# Altium PCB QCLogic Rev A.PcbDoc (part 2 of 3)
Units mm, origin at the board's own origin, x right, y up, seen from the top; angles counter-clockwise.
Board outline 42 x 51.55 mm, 6 copper layers (Layer 1, Layer 2, Layer 3, Layer 4, Layer 5, Layer 6), stack 1.598 mm thick; 239 components, 183 nets, 740 pads, 472 vias.
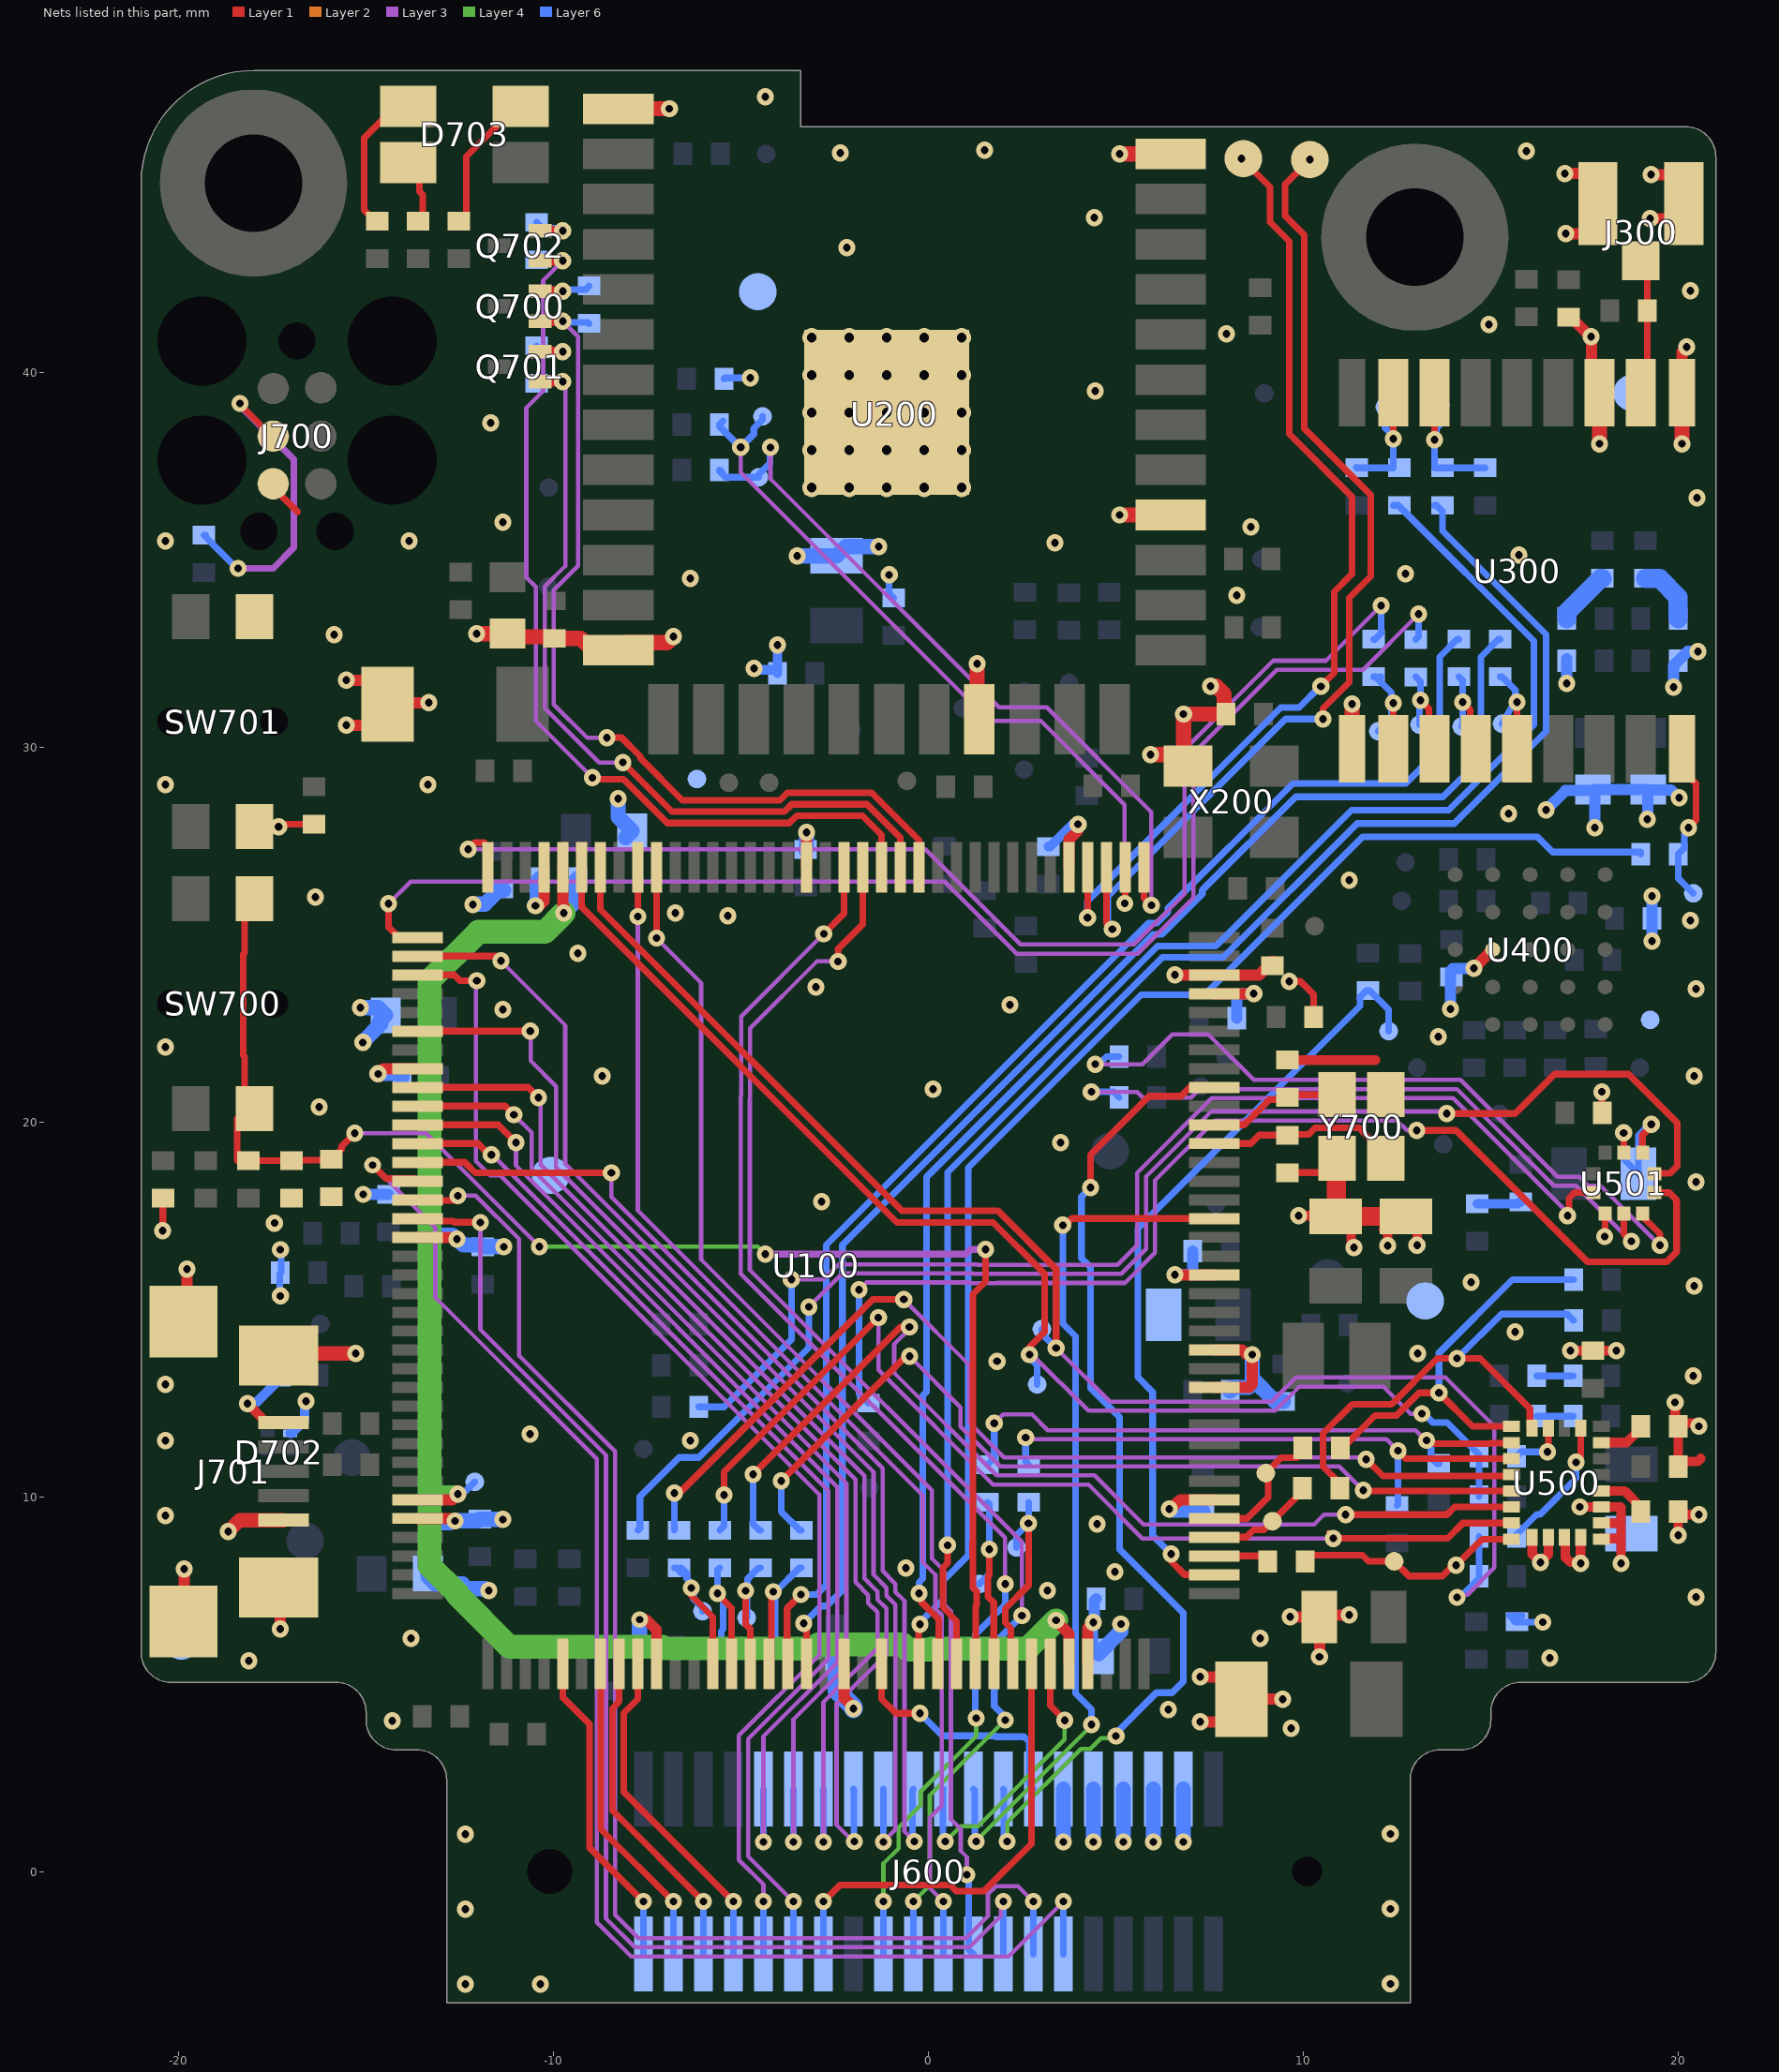
[diagram p6: the nets of this part, all layers, seen from the top]

## Via types
v1: diameter 0.457, hole 0.203, Layer 1 to Layer 6, tented both sides, 389 vias
v2: diameter 0.45, hole 0.2, Layer 1 to Layer 6, tented both sides, 52 vias
v3: diameter 0.508, hole 0.254, Layer 1 to Layer 6, 25 vias
v4: diameter 0.762, hole 0.508, Layer 1 to Layer 6, tented both sides, 6 vias

## Nets (pads, with @x,y where several pads share a name; then routed paths per layer and width w, separated by ;. In a path a pad name is that pad's centre, name@x,y a point inside that pad or via, vN(x,y) a via of type N, cw(c..) or ccw(c..) an arc to the next point about the centre after c; other vN are vias at no path point) (continued)
BLDC_BOOTLOADER_RX2: J600.27 U100.138 | length 12.5
  Layer 1 w0.178: v2(-2.8,-0.799) -2.357,-0.356 0.583,-0.356 0.745,-0.518 1.483,-0.518 2.748,0.748 2.748,5.548 U100.138@2.75,5.55
  Layer 6 w0.178: J600.27@-2.8,-2.2 v2(-2.8,-0.799)
BLDC_BOOTLOADER_RX3: J600.29 U100.84 | length 28.5
  Layer 1 w0.178: U100.84@-13.625,19.425 -12.016,19.425 -11.718,19.126 v1(-11.656,19.126)
  Layer 3 w0.114: v1(-11.656,19.126) -11.63,19.126 -2.67,10.166 -2.67,5.68 -4.811,3.538 -4.811,0.412 v2(-3.6,-0.799)
  Layer 6 w0.178: J600.29@-3.6,-2.2 v2(-3.6,-0.799)
BLDC_BOOTLOADER_RX4: J600.31 U100.75 | length 32.7
  Layer 1 w0.178: U100.75@-13.625,23.925 -12.65,23.925 -12.493,23.769 v1(-12.043,23.769)
  Layer 3 w0.114: v1(-12.043,23.769) -12.068,23.743 -12.068,18.955 -11.688,18.575 -11.42,18.575 -2.911,10.066 -2.911,5.779 -5.053,3.638 -5.053,0.312 -4.4,-0.341 v2(-4.4,-0.799)
  Layer 6 w0.178: J600.31@-4.4,-2.2 v2(-4.4,-0.799)
BLDC_BOOTLOADER_TX1: J600.18 U100.21 | length 23.6
  Layer 1 w0.178: v1(3.584,17.247) 3.646,17.247 3.825,17.425 U100.21@7.625,17.425
  Layer 4 w0.114: v2(1.276,0.8) 1.276,0.825 4.35,3.9 v1(4.35,3.925)
  Layer 6 w0.178: J600.18@1.2,2.2 1.238,2.162 1.238,0.838 v2(1.276,0.8) ; v1(3.584,17.247) 3.584,14.62 3.925,14.279 3.925,4.756 4.35,4.331 v1(4.35,3.925)
BLDC_BOOTLOADER_TX2: J600.20 U100.139 | length 7.9
  Layer 1 w0.178: U100.139@3.25,5.55 3.25,4.432 v1@3.635,4.047
  Layer 4 w0.114: v2(0.451,0.8) 0.869,1.218 1.327,1.218 3.635,3.526 v1(3.635,4.039)
  Layer 6 w0.178: J600.20@0.4,2.2 0.388,2.188 0.388,0.863 v2(0.451,0.8)
BLDC_BOOTLOADER_TX3: J600.22 U100.85 | length 27.9
  Layer 1 w0.178: U100.85@-13.625,18.925 -12.369,18.925 -12.088,18.644 v1(-8.455,18.644)
  Layer 3 w0.114: v1(-8.455,18.644) -8.455,17.999 -1.222,10.766 -1.222,8.021 -0.879,7.678 -0.879,7.463 -0.637,7.221 -0.637,1.079 -0.449,0.891 -0.449,0.875 v2(-0.374,0.8)
  Layer 6 w0.178: J600.22@-0.4,2.2 -0.425,2.176 -0.425,0.851 v2(-0.374,0.8)
BLDC_BOOTLOADER_TX4: J600.24 U100.74 | length 31.7
  Layer 1 w0.178: U100.74@-13.625,24.425 -11.525,24.425 v1(-11.4,24.3)
  Layer 3 w0.114: v1(-11.4,24.3) -11.4,24.293 -9.687,22.58 -9.687,18.889 -1.463,10.666 -1.463,7.921 -1.12,7.578 -1.12,7.363 -0.879,7.121 -0.879,1.121 v2(-1.2,0.8)
  Layer 6 w0.178: v2(-1.2,0.8) J600.24@-1.2,2.2
BLDC_BOOTSEL1: J600.26 U100.78 | length 30.7
  Layer 1 w0.178: U100.78@-13.625,22.425 v1(-10.618,22.425)
  Layer 3 w0.114: v1(-10.618,22.425) -10.606,22.414 -10.606,21.632 -9.929,20.954 -9.929,18.789 -1.705,10.566 -1.705,7.822 -1.362,7.478 -1.362,7.263 -1.12,7.021 -1.12,5.805 -1.762,5.163 -1.77,5.163 -2.45,4.483 -2.45,1.249 -2.001,0.8 v2(-1.974,0.8)
  Layer 6 w0.178: J600.26@-2,2.2 -1.987,2.187 -1.987,0.813 v2(-1.974,0.8)
BLDC_BOOTSEL2: J600.28 U100.81 | length 28.9
  Layer 1 w0.178: U100.81@-13.625,20.925 -10.675,20.925 v1(-10.4,20.65)
  Layer 3 w0.114: v1(-10.4,20.65) -10.345,20.596 -10.345,18.865 -1.946,10.466 -1.946,7.722 -1.603,7.378 -1.603,7.163 -1.361,6.921 -1.361,5.965 -2.8,4.526 v2(-2.8,0.8)
  Layer 6 w0.178: v2(-2.8,0.8) J600.28@-2.8,2.2
BLDC_BOOTSEL3: J600.30 U100.82 | length 27.7
  Layer 1 w0.178: U100.82@-13.625,20.425 -11.289,20.425 v1(-11.056,20.192)
  Layer 3 w0.114: v1(-11.056,20.192) -10.587,19.723 -10.587,18.765 -2.187,10.366 -2.187,5.48 -3.6,4.067 v2(-3.6,0.8)
  Layer 6 w0.178: v2(-3.6,0.8) J600.30@-3.6,2.2
BLDC_BOOTSEL4: J600.32 U100.83 | length 27.2
  Layer 1 w0.178: U100.83@-13.625,19.925 -11.475,19.925 v1(-11,19.45)
  Layer 3 w0.114: v1(-11,19.45) -11,18.837 -2.429,10.266 -2.429,5.58 -4.4,3.608 v2(-4.4,0.8)
  Layer 6 w0.178: v2(-4.4,0.8) J600.32@-4.4,2.2
BLDC_nRESET1: J600.39 U100.113 | length 8.6
  Layer 1 w0.178: U100.113@-9.75,5.55 -9.751,5.549 -9.751,4.648 -9.039,3.936 -9.039,0.639 v2(-7.6,-0.799)
  Layer 6 w0.178: J600.39@-7.6,-2.2 v2(-7.6,-0.799)
BLDC_nRESET2: J600.37 U100.115 | length 8.6
  Layer 1 w0.178: U100.115@-8.75,5.55 -8.734,5.535 -8.734,1.135 v2(-6.8,-0.799)
  Layer 6 w0.178: J600.37@-6.8,-2.2 v2(-6.8,-0.799)
BLDC_nRESET3: J600.35 U100.116 | length 8.8
  Layer 1 w0.178: U100.116@-8.25,5.55 -8.25,4.539 -8.429,4.36 -8.429,1.63 v2(-6,-0.799)
  Layer 6 w0.178: J600.35@-6,-2.2 v2(-6,-0.799)
BLDC_nRESET4: J600.33 U100.117 | length 9.1
  Layer 1 w0.178: U100.117@-7.75,5.55 -7.75,4.608 -8.125,4.233 -8.125,2.125 v2(-5.2,-0.799)
  Layer 6 w0.178: J600.33@-5.2,-2.2 v2(-5.2,-0.799)
BT_RXD: R209.1 TP211.1 U100.38 | length 20.2
  Layer 1 w0.178: v1(5.235,25.832) 5.25,25.847 U100.38@5.25,26.8
  Layer 3 w0.114: v1(-5.008,38) -5.008,37.333 1.625,30.7 3,30.7 5.235,28.465 v1(5.235,25.832)
  Layer 6 w0.178: R209.1@-5.473,38.7 R209.1@-5.571,38.602 -5.571,38.552 -5.019,38 v1(-5.008,38) -4.658,38.35 -4.658,38.505 -4.425,38.738 TP211.1@-4.425,38.825
BT_TXD: R210.1 TP210.1 U100.37 | length 20.6
  Layer 1 w0.178: U100.37@5.75,26.8 5.75,25.977 v1(5.946,25.781)
  Layer 3 w0.114: v1(-4.214,37.998) -4.214,37.155 1.877,31.064 3.151,31.064 5.946,28.269 v1(5.946,25.781)
  Layer 6 w0.178: R210.1@-5.498,37.325 R210.1@-5.571,37.398 -5.571,37.361 -5.409,37.2 TP210.1@-4.525,37.2 -4.525,37.275 -4.225,37.575 -4.225,37.987 v1(-4.214,37.998) v1@-4.214,37.886
CTRL_PWM1: J600.17 U100.63 | length 32.5
  Layer 1 w0.178: v1(-7.25,24.904) U100.63@-7.25,26.8
  Layer 3 w0.114: v1(-7.25,24.904) -6.062,23.717 -6.062,16.33 0.092,10.176 0.092,8.355 0.428,8.018 0.428,7.119 0.6,6.947 0.6,1.403 0.862,1.14 0.862,0.556 1.025,0.393 v2(1.025,-0.075)
  Layer 6 w0.178: v2(1.025,-0.075) 1.078,-0.127 1.078,-2.078 J600.17@1.2,-2.2
CTRL_PWM2: J600.19 U100.64 | length 32.6
  Layer 1 w0.178: v1(-7.75,25.482) U100.64@-7.75,26.8
  Layer 3 w0.114: v1(-7.75,25.482) -7.75,17.634 -0.15,10.034 -0.15,8.255 0.187,7.918 0.187,7.019 0.358,6.847 0.358,1.758 0.037,1.437 0.037,-0.437 v2(0.4,-0.799)
  Layer 6 w0.178: J600.19@0.4,-2.2 v2(0.4,-0.799)
CTRL_PWM3: J600.21 U100.52 | length 35
  Layer 1 w0.178: v1(-2.41,24.282) -2.41,24.613 -1.75,25.273 U100.52@-1.75,26.8
  Layer 3 w0.114: v1(-2.41,24.282) -2.976,24.282 -4.754,22.504 -4.754,20.604 -4.762,20.596 -4.762,16.054 2.492,8.8 v1(2.492,6.833)
  Layer 4 w0.114: v2(-0.4,-0.799) 0.037,-0.362 0.037,2.037 v2(2.05,4.05)
  Layer 6 w0.178: J600.21@-0.4,-2.2 v2(-0.4,-0.799) ; v2(2.05,4.05) 2.05,4.124 1.755,4.419 1.755,6.096 v1(2.492,6.833)
CTRL_PWM4: J600.23 U100.53 | length 34.5
  Layer 1 w0.178: v1(-2.791,25.019) -2.25,25.561 U100.53@-2.25,26.8
  Layer 3 w0.114: v1(-2.791,25.019) -4.995,22.815 -4.995,20.704 -5.004,20.696 -5.004,15.954 2.039,8.912 2.039,7.722 1.992,7.675 v1(2.051,7.675)
  Layer 4 w0.114: v2(-1.2,-0.799) -1.2,0.218 -0.789,0.629 -0.789,1.185 -0.204,1.77 -0.204,2.137 1.275,3.616 v2(1.275,4.1)
  Layer 6 w0.178: J600.23@-1.2,-2.2 v2(-1.2,-0.799) ; v2(1.275,4.1) 1.247,4.128 1.247,6.325 2.051,7.128 v1(2.051,7.675)
DBG_UART_RX: TP101.1 U100.40 | length 26
  Layer 1 w0.178: v1(4.242,25.45) 4.25,25.458 U100.40@4.25,26.8 ; v1(8.35,45.7) 9.111,44.94 9.111,44.008 9.623,43.496 9.623,38.353 11.295,36.681 11.295,34.619 10.823,34.147 10.823,31.978 v1(10.468,31.623)
  Layer 6 w0.178: v1(4.242,25.45) 4.242,25.898 9.399,31.055 9.888,31.055 10.456,31.623 v1(10.468,31.623)
DBG_UART_TX: TP100.1 U100.39 | length 27
  Layer 1 w0.178: U100.39@4.75,26.8 4.75,25.301 v1(4.905,25.146) ; v1(10.175,45.675) 9.513,45.013 9.513,44.175 10.025,43.663 10.025,38.5 11.8,36.725 11.8,34.555 11.225,33.98 11.225,31.73 10.525,31.03 v1(10.525,30.75)
  Layer 6 w0.178: v1(4.905,25.146) 4.791,25.26 4.791,26.016 9.525,30.75 v1(10.525,30.75)
EVENT_IN: J600.16 U100.28 | length 27.6
  Layer 1 w0.178: v1(4.325,18.25) 4.325,19.124 5.889,20.688 6.74,20.688 6.977,20.925 U100.28@7.625,20.925
  Layer 4 w0.114: v2(2.101,0.8) 2.101,1.309 4.069,3.277 4.318,3.277 4.604,3.563 4.946,3.563 v1(5.004,3.621)
  Layer 6 w0.178: J600.16@2,2.2 2.013,2.187 2.013,0.888 v2(2.101,0.8) ; v1(4.325,18.25) 4.082,18.006 4.082,16.369 4.325,16.125 4.325,12.9 5.1,12.125 5.1,8.6 6.8,6.9 6.8,5.075 6.5,4.775 6.083,4.775 5.004,3.696 v1(5.004,3.621)
EXTRA1: J600.14 U100.130 | length 6.7
  Layer 1 w0.178: U100.130@-1.25,5.55 -1.25,4.608 -0.866,4.225 v1(-0.225,4.225)
  Layer 6 w0.178: v1(-0.225,4.225) 0.375,3.625 1.775,3.625 1.8,3.6 2.55,3.6 2.684,3.467 2.684,2.316 J600.14@2.8,2.2
EXTRA2: J600.11 U100.86 | length 38.9
  Layer 1 w0.178: v2(-14.825,18.85) -14.469,18.495 -13.694,18.495 U100.86@-13.625,18.425
  Layer 3 w0.114: v2(-14.825,18.85) -13.15,17.175 -13.15,15.318 -8.841,11.009 -8.841,-1.35 -7.933,-2.258 2.142,-2.258 v2(3.6,-0.799)
  Layer 6 w0.178: J600.11@3.6,-2.2 v2(3.6,-0.799)
EXTRA3: J600.13 U100.87 | length 36.2
  Layer 1 w0.178: U100.87@-13.625,17.925 -13.609,17.91 -12.669,17.91 v2(-12.545,18.034)
  Layer 3 w0.114: v2(-12.545,18.034) -12.077,18.034 -10.914,16.871 -10.914,13.764 -8.358,11.209 -8.358,-1.15 -7.733,-1.775 1,-1.775 1.587,-1.188 1.587,-0.605 1.804,-0.388 2.389,-0.388 v2(2.8,-0.799)
  Layer 6 w0.178: J600.13@2.8,-2.2 v2(2.8,-0.799)
EXTRA4: J600.15 U100.88 | length 34.7
  Layer 1 w0.178: U100.88@-13.625,17.425 -13.556,17.357 -12.683,17.357 -12.651,17.325 v2(-11.95,17.325)
  Layer 3 w0.114: v2(-11.95,17.325) -11.95,14.459 -8.6,11.109 -8.6,-1.25 -7.833,-2.016 1.1,-2.016 1.936,-1.181 1.936,-0.864 v2(2,-0.799)
  Layer 6 w0.178: J600.15@2,-2.2 v2(2,-0.799)
FLASH_NRESET: R408.1 TP405.1 U100.2 | length 20.8
  Layer 1 w0.178: v1(6.475,8.475) 6.475,8.282 6.833,7.925 U100.2@7.625,7.925
  Layer 6 w0.178: v1(6.475,8.475) 5.982,8.969 5.982,12.794 5.585,13.191 5.585,17.163 11.514,23.092 11.514,23.339 11.675,23.5 R408.1@11.725,23.5 11.775,23.5 12.275,23 TP405.1@12.275,22.425
GND: C100.1 C200.2 C201.2 C202.1 C203.1 C204.2 C205.1 C300.2 C301.1 C302.2 C303.1 C305.2 C400.2 C401.2 C500.1 C501.2 C502.1 C503.1 C504.2 C505.1 C506.2 C600.2 C601.2 C700.1 C701.2 C702.2 C800.2 C801.2 C802.1 C803.1 C804.1 C805.1 C806.1 C807.1 C808.1 C809.1 C810.2 C811.2 C812.1 C813.2 C814.1 C815.1 C816.2 C817.1 C818.1 C819.1 C820.1 C821.1 C822.1 C823.2 C824.2 C825.2 D700.1 D701.1 D702.4 J300.2 J300.3 J600.4 J600.6 J600.8 J600.10 J600.12 J700.5 J701.5 J701.6 J701.7 J701.8 J701.9 Q700.2 Q701.2 Q702.2 R113.2 R213.2 R214.2 R702.2 R703.2 R709.2 R710.2 R711.2 SW701.1 SW701.3 TP217.1 TP307.1 TP407.1 TP511.1 TP517.1 TP704.1 TP800.1 U100.6 U100.12 U100.14 U100.18 U100.33 U100.34 U100.41 U100.55 U100.69 U100.80 U100.89 U100.104 U100.118 U100.128 U100.141 U200.1 U200.13 U200.21 U200.28 U200.36 U200.37 U300.1 U300.10 U300.12 U400.B3 U500.14 U500.15 U500.16 U500.17 U500.18 U500.19 U500.20 U501.3 U501.8 U501.9 X200.2 Y700.2 Y700.4 | length 157.9
  Layer 1 w0.178: v1@-20.419,17.106 R703.2@-20.419,17.966 ; SW701.3@-18.25,33.552 SW701.3@-18.174,33.476 ; SW701.1@-18.174,27.876 SW701.1@-17.974,27.876 v1(-17.333,27.876) -17.261,27.948 D701.1@-16.533,27.948 ; J700.5@-17.654,37.026 J700.5@-17.476,37.026 -17.476,36.926 -16.825,36.275 ; C701.2@9.575,18.65 10.525,18.65 10.883,19.007 Y700.2@10.9,19.025 ; v1(9.627,23.751) 9.924,23.751 10.275,23.4 C100.1@10.275,22.8 ; v1(17.961,20.803) 17.969,20.794 17.969,20.252 C505.1@17.978,20.244 C505.1@18.105,20.371 ; v1(18.037,16.942) 18.045,16.95 U501.3@18.045,17.551 ; U501.9@18.545,19.177 v1(18.545,19.71) ; U501.8@19.045,19.177 19.045,19.652 19.281,19.888 v1(19.281,19.939)
  Layer 1 w0.254: Q701.2@-10.353,40.55 v1(-9.753,40.55) ; Q700.2@-10.353,42.163 v1(-9.753,42.163) ; Q702.2@-10.353,43.775 v1(-9.753,43.775) ; C702.2@9.575,21.65 11.925,21.65 ; v1@9.827,17.501 9.827,17.471 9.848,17.45 9.9,17.502 10.65,17.502 10.842,17.502 C810.2@10.865,17.479 11.277,17.067 v1@11.277,16.651 ; v1(12.252,16.701) 12.252,17.023 12.144,17.131 12.492,17.479 12.685,17.479 13.033,17.131 v1(13.033,16.713) ; U500.14@16.105,8.925 16.105,8.47 v1(16.325,8.25) 16.535,8.46 U500.15@16.535,8.925 ; U500.16@16.965,8.925 16.988,8.902 16.988,8.387 17.121,8.254 17.366,8.254 v1(17.395,8.225) U500.17@17.395,8.925 ; v1(17.125,13.9) C502.1@17.725,13.9 v1(18.35,13.9) ; v1(17.375,9.73) U500.20@17.95,9.73 18.457,9.73 18.457,9.711 18.475,9.711 18.475,9.3 ; U500.18@17.95,8.87 17.95,8.888 18.475,8.888 ; U500.19@17.95,9.3 18.475,9.3 ; v1(18.475,8.225) 18.475,8.888 ; v1(19.916,12.521) 19.916,12.151 C503.1@20.096,11.971 ; v1(20,8.975) C504.2@20,9.6 20.075,9.525 v1(20.551,9.525) ; v1(20.551,11.886) 20.551,11.916 20.496,11.971 C503.1@20.096,11.971 ; 20.602,11.024 20.526,10.947 20.148,10.947 C500.1@20,10.8 20,11.779 20.096,11.875 C503.1@20.096,11.971 ; 18.475,8.888 18.475,9.3
  Layer 1 w0.279: v2(-7.7,6.725) -7.525,6.725 -7.25,6.45 U100.118@-7.25,5.55
  Layer 1 w0.3: J701.9@-19.98,6.675 -19.905,6.675 -19.85,6.73 v1(-19.85,8.075) ; J701.8@-19.905,14.676 J701.8@-19.868,14.676 -19.83,14.676 -19.775,14.731 v1(-19.775,16.076) ; v1(-17.29,6.476) -17.29,7.576 J701.7@-17.215,7.576 ; v1(-15.525,30.587) -14.95,30.587 -14.425,31.112 C200.2@-14.425,31.15 C200.2@-14.425,31.187 ; v1(-15.525,31.787) -14.95,31.787 -14.425,31.262 C200.2@-14.425,31.187 ; v1(-14.678,21.285) -14.539,21.425 U100.80@-13.625,21.425 ; U100.104@-13.625,9.425 -12.722,9.425 -12.653,9.356 v1(-12.624,9.356) ; U100.89@-13.625,16.925 -12.661,16.925 -12.612,16.876 v1(-12.574,16.876) ; v1(-13.325,31.187) C200.2@-14.425,31.187 ; v1(-10.483,25.769) -10.378,25.769 -10.25,25.898 U100.69@-10.25,26.8 ; U100.55@-3.25,26.8 v1(-3.249,27.726) ; U100.128@-2.25,5.55 -2.25,4.64 -1.999,4.389 v1(-1.999,4.35) ; U100.41@3.75,26.8 3.75,27.538 3.991,27.778 v1(3.991,27.94) ; U100.141@4.25,5.55 4.25,6.5 v1(4.4,6.65) ; v1(6.426,9.675) 6.464,9.675 6.674,9.886 6.689,9.886 6.728,9.925 U100.6@7.625,9.925 ; v1(6.572,15.925) U100.18@7.625,15.925 ; v1(6.572,23.925) U100.34@7.625,23.925 8.825,23.925 9.125,24.225 C822.1@9.175,24.225 ; v1(7.25,4) 7.825,4 8.35,4.525 C600.2@8.35,4.6 ; v1(7.25,5.2) 7.825,5.2 8.35,4.675 C600.2@8.35,4.6 ; U100.12@7.625,12.925 8.559,12.925 8.639,13.005 v1(8.639,13.792) ; U100.14@7.625,13.925 8.363,13.925 v1@8.478,13.811 ; U100.33@7.625,23.425 v1(8.678,23.425) ; v1(9.45,4.6) C600.2@8.35,4.6 ; v1(9.65,6.8) C601.2@10.425,6.8 C601.2@10.432,6.806 ; v1(10.432,5.731) C601.2@10.432,6.806 ; v1(11.225,6.85) 10.475,6.85 C601.2@10.432,6.806 ; v1(14.55,24.1) U400.B3@15.05,24.6 ; v1(16.975,45.3) 17.507,45.3 17.853,44.954 J300.3@17.853,44.501 17.853,44.046 17.507,43.7 v1(17,43.7) ; C305.2@17.102,41.448 C305.2@17.077,41.473 17.127,41.473 17.64,40.961 17.665,40.961 v1(17.675,40.95) 17.686,40.939 17.686,39.664 U300.12@17.9,39.45 ; v1(19.25,44.1) 20.221,44.1 20.148,44.173 J300.2@20.148,44.501 20.148,44.929 19.802,45.275 v1(19.275,45.275) ; U300.10@20.1,39.45 20.1,40.55 v1(20.225,40.675)
  Layer 1 w0.381: v1(-20.425,17.1) v1@-20.419,17.106 ; v1(-18.675,9.075) -18.375,9.375 J701.5@-17.201,9.375 ; J701.6@-17.328,13.774 -17.277,13.825 v1(-15.275,13.825)
  Layer 1 w0.406: v1(-12.05,33.025) C204.2@-11.225,33.025 ; C204.2@-11.1,32.9 C204.2@-11.146,32.947 ; U200.1@-8.27,47.03 v1(-6.91,47.03) ; v1(-6.8,32.95) -6.964,32.785 -8.067,32.785 U200.13@-8.27,32.582 -8.956,32.582 -9.275,32.9 C203.1@-9.975,32.9 -10.021,32.947 C204.2@-11.146,32.947 ; v1(1.3,32.225) 1.3,30.803 U200.21@1.361,30.743 ; v1(5.101,36.194) U200.28@6.462,36.194 ; v1(5.101,45.826) U200.36@6.462,45.826 ; v1(5.925,29.8) 6.53,29.8 6.88,29.45 X200.2@6.93,29.5 7.03,29.5 6.803,29.727 v1(6.803,30.88) C205.1@7.933,30.88 7.886,30.926 7.886,31.414 7.675,31.625 v1(7.525,31.625) ; C822.1@9.175,24.225 C822.1@9.225,24.225 ; U300.1@11.3,29.95 v1(11.3,31.15) ; v1(17.9,38.09) U300.12@17.9,39.45 ; v1(20.1,38.09) U300.10@20.1,39.45 ; C204.2@-11.225,33.025 C204.2@-11.146,32.947 ; C204.2@-11.225,33.025 C204.2@-11.146,32.947
  Layer 1 w0.508: C810.2@10.65,17.694 C810.2@10.842,17.502 ; Y700.2@10.883,19.007 10.883,17.694 10.883,17.497 C810.2@10.865,17.479 C811.2@12.492,17.479
  Layer 6 w0.178: v1@-17.302,15.392 -17.302,15.959 C700.1@-17.285,15.977 -17.268,15.994 v1@-17.268,16.561 ; R710.2@-10.45,40.7 -10.343,40.594 -9.797,40.594 v1(-9.753,40.55) ; R711.2@-10.45,44 -10.292,43.843 -9.883,43.843 -9.815,43.775 v1(-9.753,43.775) ; v1(-9.753,42.163) -9.71,42.206 -9.143,42.206 R709.2@-9.05,42.3 ; R213.2@-5.45,39.825 -5.425,39.85 v1(-4.75,39.85) ; v1(-1.047,34.597) -1.047,34.1 R214.2@-0.922,33.975 ; R113.2@15.624,6.672 R113.2@15.657,6.672 ; v1(16.386,6.655) 15.675,6.655 R113.2@15.657,6.672 ; v1(18.545,19.71) 18.549,19.706 18.549,19.004 C506.2@18.935,18.618 18.935,19.643 19.231,19.939 v1@19.256,19.939 ; 19.002,19.685 v1@19.256,19.939 ; v1(19.281,19.939) v1@19.256,19.939 ; R113.2@15.657,6.672 15.674,6.672 15.835,6.833 15.496,6.833 R113.2@15.657,6.672